# Altium PCB edison_breakout3.PcbDoc (part 2 of 3)
Units mil, origin at the board's own origin, x right, y up, seen from the top; angles counter-clockwise.
Board outline 3154.64 x 2013.03 mil, 6 copper layers (Top Layer, GND, VCC, Signal Layer 2, GND (Mid4), Bottom Layer), stack 48.468 mil thick; 205 components, 181 nets, 884 pads, 412 vias.
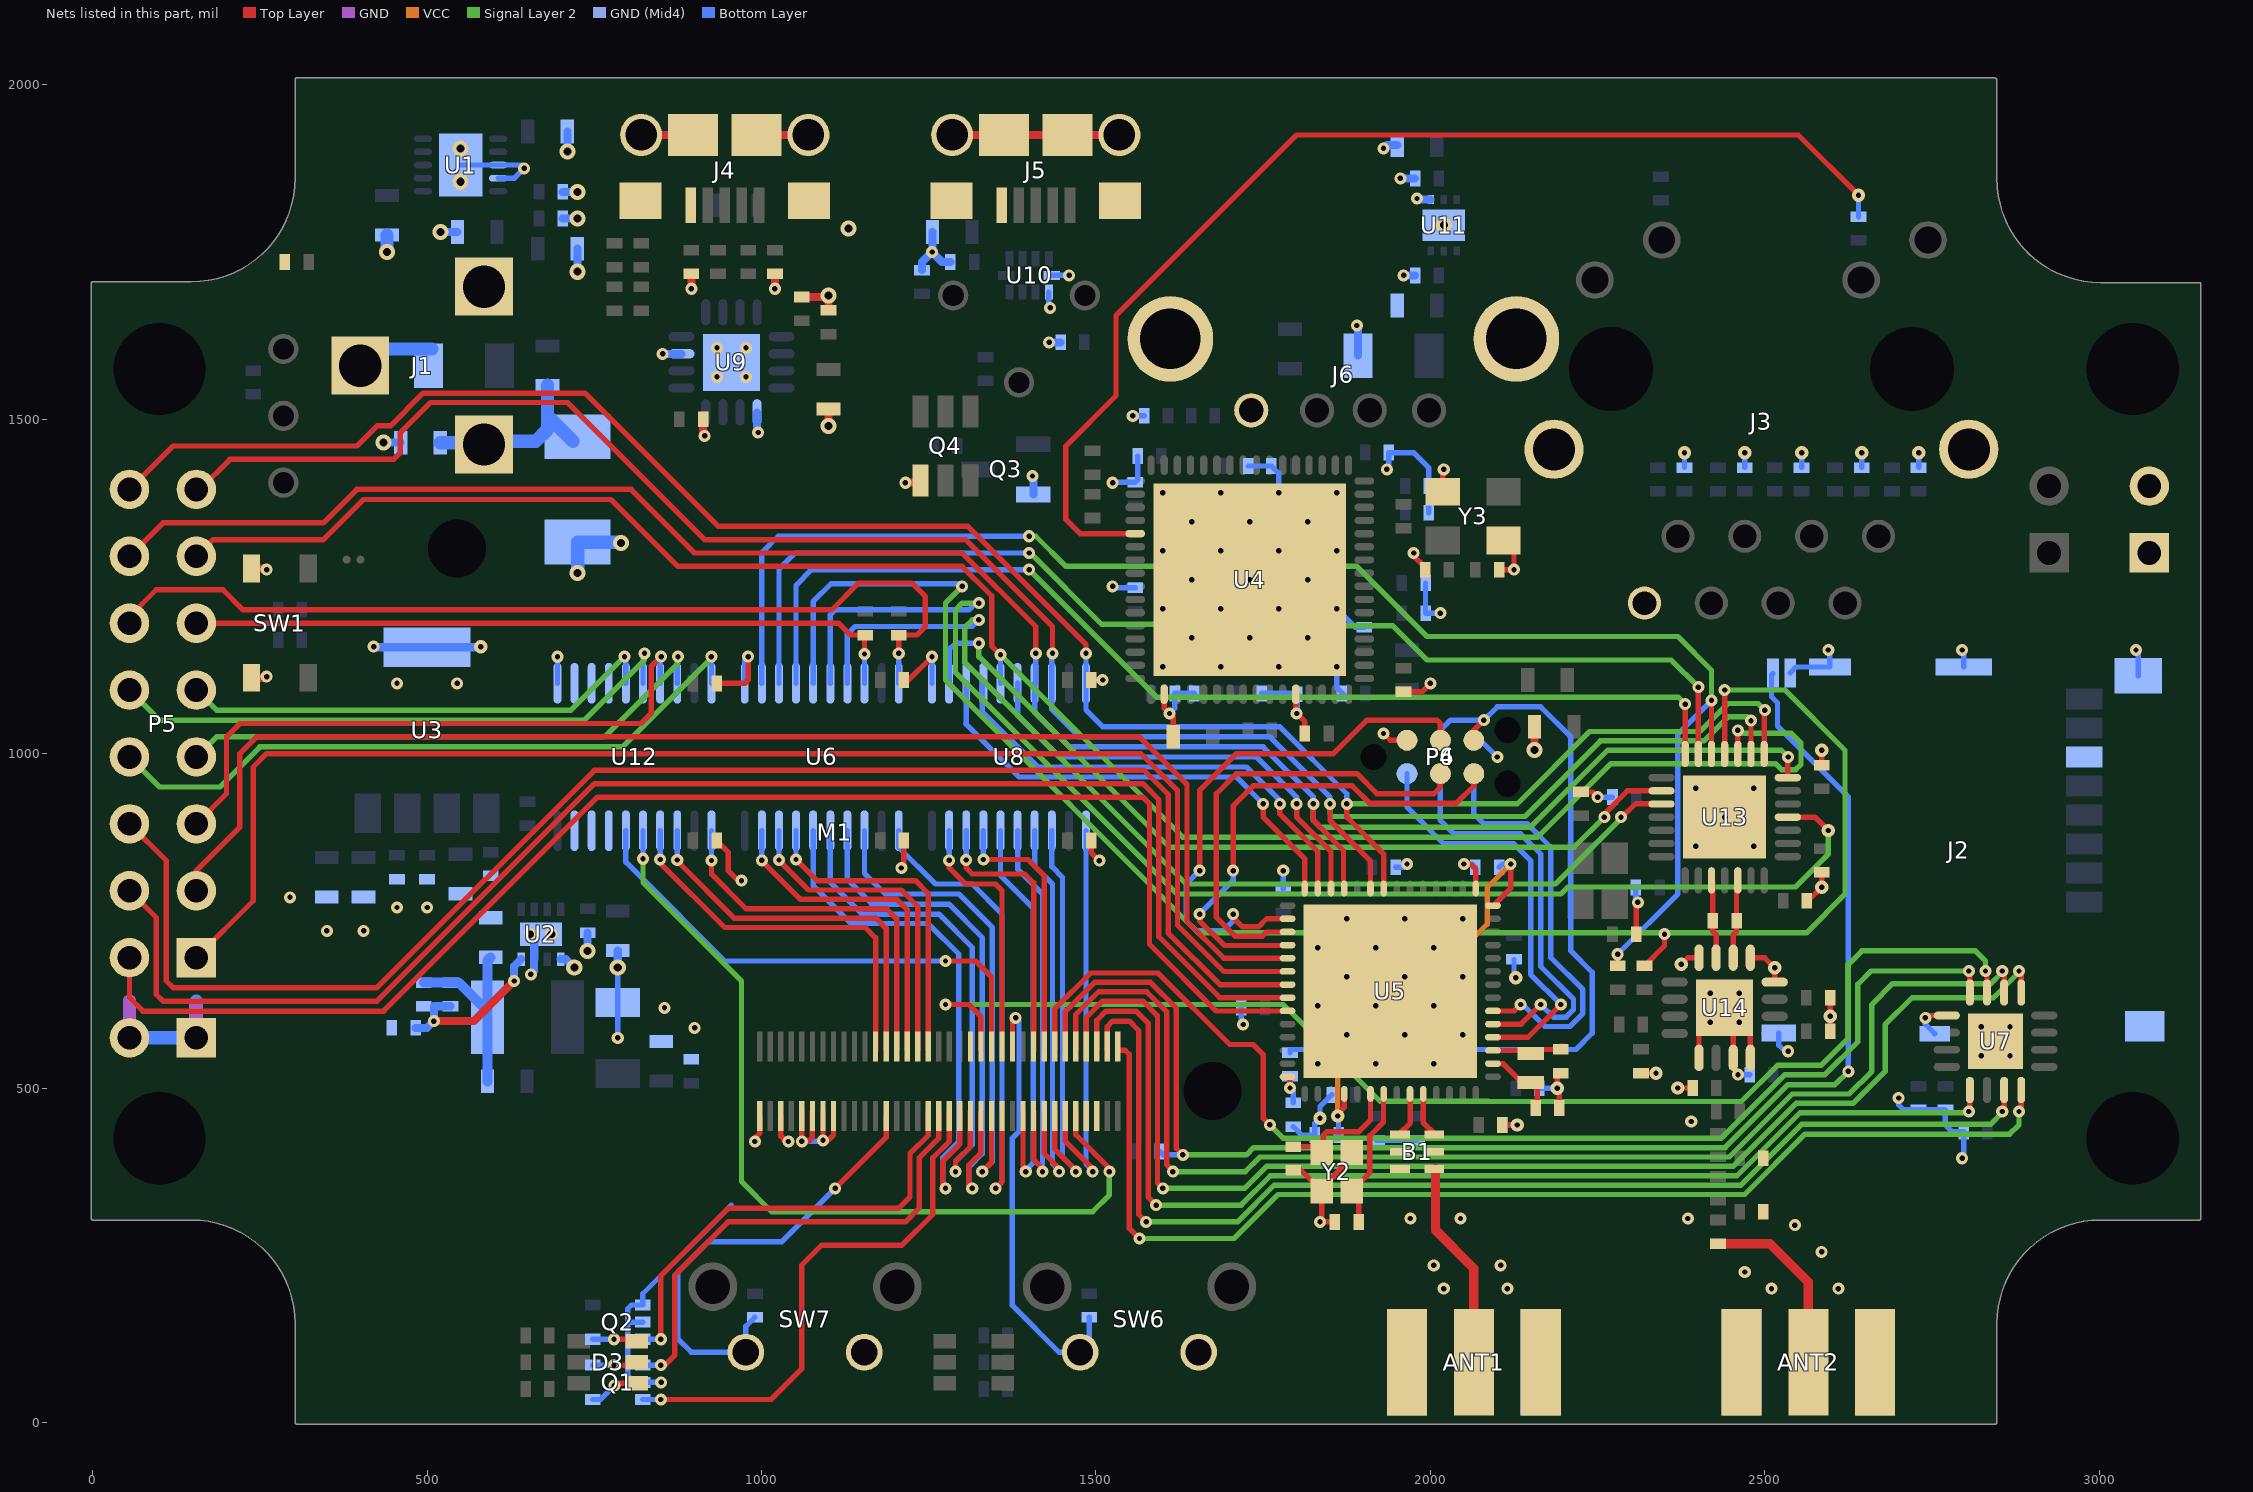
[diagram p6: the nets of this part, all layers, seen from the top]

## Part data
ANT1 ANT2: "CONN SMA JACK 50 OHM EDGE MNT"
B1: "2.45 GHz Balun for TI CC253X"
C1 C9 C25 C67 C80: library part C_4.7u_10V_0603_ceramic, "Ceramic capacitor, 4.7u, 10V, 0603 package"
C2 C5 C8 C10 C15 C17 C72 C75 C77 C94: library part C_10u_10V_0603_ceramic, "Ceramic capacitor, 10 uF, 10 V, 0603 package"
C3: library part C_10p_50V_0402_ceramic, "Ceramic capacitor, 10 pF, 16 V, 0402 package"
C4 C16 C73: library part C_100u_10V_1206_tantalum, "Tantalum capacitor, 100 uF, 10 V, 1206 package"
C6 C7 C11 C13 C18 C28 C58 C71 C74 C76 C84: library part C_1u_16V_0402_ceramic, "Ceramic capacitor, 1 uF, 16V, 0402 package"
C12 C14: library part C_10u_10V_0603_tantalum, "Tantalum capacitor, 10 uF, 10 V, 0603 package"
C19 C20 C21 C22 C23 C24 C26 C27 C29 C30 C31 C32 C33 C34 C35 C36 C37 C38 C39 C40 C41 C42 C43 C44 C45 C46 C52 C53 C54 C55 C56 C57 C66 C68 C79 C81 C85 C86 C91 C95 C97: library part C_0.1u_16V_0402_ceramic, "Ceramic capacitor, 0.1u, 16 V, 0402 package"
C47 C48: library part C_22p_0402_ceramic, "Ceramic capacitor, 22 pF, 0402 package"
C49 C83: library part C_1000p_50V_0402_ceramic, "Ceramic capacitor, 1000 pF, 0402 package"
C50 C51 C82: library part C_12p_0402_ceramic, "Ceramic capacitor, 12 pF, 0402 package"
C59 C96: library part C_33p_0402_ceramic, "Ceramic capacitor, 33 pF, 0402 package"
C60: library part C_10000p_16V_0402_ceramic, "Ceramic capacitor, 10000 pF, 16 V, 0402 package"
C61: library part C_0.022u_50V_0402_ceramic, "Ceramic capacitor, 0.022 uF, 0402 package"
C62 C63 C64 C65 C92 C93: library part C_15p_25V_0402_ceramic, "Ceramic capacitor, 15 pF, 25V, 0402 package"
C69 C70: library part C_47p_50V_0402_ceramic, "Ceramic capacitor, 47 pF, 0402 package"
C78: library part C_220p_50V_0402_ceramic, "Ceramic capacitor, 220 pF, 0402 package"
C87: library part C_18p_50V_0402_ceramic, "Ceramic capacitor, 18 pF, 0402 package"
C88 C89: library part C_2.2p_50V_0402_ceramic, "Ceramic capacitor, 2.2 pF, 0402 package"
C90: library part C_0.2p_50V_0402_ceramic, "Ceramic capacitor, 0.2 pF, 0402 package"
D1: library part D_LED_BLUE_0402, "LED, Blue, 0402"
D2 D3: library part D_CLY6D-FKC, "CREE PLCC6 3 in 1 SMD LED"
D4: library part D_LED_ORANGE_0402, "LED, Orange, 0402"
D5: library part D_LED_GREEN_0402, "LED, Green,  0402"
D6: library part D_LED_RED_0402, "LED, Red, 0402"
D7: "SURFACE MOUNT ZENER DIODE"
FB1 FB2 FB3 FB4 FB5 FB6: library part FB_2A_0603, "Ferrite Bead, 2 A, 0603 package"
J1: "CONN PWR JACK 2.1X5.5MM HIGH CUR"
J2: "Micro SD Slot"
J3: "1x1 Tab-Down RJ45"
J4 J5: library part "Micro USB", "CONN USB MICRO B RECPT SMT R/A"
J6: library part A105221-ND, "USB 2.0 Type A"
J7: library part SolderBridge
L1: library part L_1u_LQM32PN, "Chip inductor, 1 uH, 1210 package, LQM32PN"
L2: library part L_4.7n_300mA_0402, "Chip inductor, 4.7 nH, 0402 package, 300 mA"
L3: library part L_6.8n_0402, "Chip inductor, 6.8 nH, 0402 package"
L4: library part L_1n_300mA_0402, "Chip inductor, 1 nH, 0402 package, 300 mA"
L5: library part L_2n_300mA_0402, "Chip inductor, 2 nH, 0402 package, 300 mA"
P1 P2 P3 P5: "100 mils standard header"
P4 P6: "TC2030-MCP-NL"
Q1 Q2: "Common Source Dual N-Channel MOSFET"
Q3: "N-Channel 20 V (D-S) MOSFET"
Q4: "Load Switch"
R1 R5 R13 R15 R34: library part R_200_0402, "Chip resistor, 200, 0402 package"
R2: library part R_680K_0402, "Chip resistor, 680K, 0402 package"
R3: library part R_120K_0402, "Chip resistor, 120K, 0402 package"
R4 R12: library part R_100_0402, "Chip resistor, 100, 0402 package"
R6 R14 R25 R27 R28 R30 R31: library part R_330_0402, "Chip resistor, 330, 0402 package"
R7: library part R_2.2K_0402, "Chip resistor, 2.2K, 0402 package"
R8 R42: library part R_56K_0402, "Chip resistor, 56K, 0402 package"
R9 R10 R11 R16 R17 R19 R26 R33 R35 R36 R38 R39 R40 R43 R44 R46: library part R_10K_0402, "Chip resistor, 10K, 0402 package"
R18: library part R_12.4K_0402, "Chip resistor, 12.4K, 0402 package"
R20 R21 R22 R23: library part R_49.9_0402, "Chip resistor, 49.9, 0402 package"
R24: library part R_10_0402, "Chip resistor, 10, 0402 package"
R29 R32: library part R_27_0402, "Chip resistor, 27, 0402 package"
R37: library part R_12K_0402, "Chip resistor, 12K, 0402 package"
R41: library part R_3.9K_0402, "Chip resistor, 3.9K, 0402 package"
R45: library part R_1M_0402, "Chip resistor, 1M, 0402 package"
SW1: "Tactile Switches"
SW4: "SPST Slide switch"
SW5: "Slide switch, SPDT, 500 mA, 12 V"
SW6 SW7: "SWITCH TACTILE SPST-NO 0.05A 24V"
U1: "Dual 2.6A, 2.5V to 5.5V,  Ideal Diodes in 3mm ⊙ 3mm DFN"
U2: "3-MHz, 2-A, Step-Down Converter"
U3: "LP387x 0.8-A Fast Ultra-Low-Dropout Linear Regulators"
U4: "USB 2.0 Hub and 10/100  Ethernet Controller"
U5: "A Powerful System-On-Chip for 2.4-GHz IEEE 802.15.4, 6LoWPAN  and ZigBee Applications"
U6 U8 U12: "TXS0108E-Q1 8-Bit Bi-directional, Level-Shifting, Voltage Translator  for Open-Drain and Push-Pull Applications"
U7: "6-Channel High-Speed Logic-Level Translators"
U9: "FT230X USB UART"
U10: "High-Speed USB 2.0 (480-Mbps) 1:2 Multiplexer ¡V Demultiplexer  Switch With Single Enable"
U11: "0.5A SINGLE CHANNEL CURRENT-LIMITED  POWER SWITCH WITH OUTPUT DISCHARGE"
U13: "2.4 GHZ IEEE 802.15.4/ZIGBEER RF TRANSCEIVER"
U14: "2.4-GHz Range Extender"
Y1: "32768 Hz SMD Low profile crystal"
Y2: "MHz Range Crystal Unit"
Y3: "Crystal 25.0000MHz 20ppm 18pF 50 Ohm"
Y4: "Crystal 32.0000MHz 10ppm 10pF 50 Ohm"

## Free pads (board coordinates)
  round 0 hole 137.79: ""(100,425) ""(100,1575) ""(3050,425) ""(3050,1575)

## Via types
v1: diameter 18, hole 8, Top Layer to Bottom Layer, 319 vias
v2: diameter 20, hole 8, Top Layer to Bottom Layer, 41 vias
v3: diameter 24, hole 12, Top Layer to Bottom Layer, 34 vias
v4: diameter 22, hole 8, Top Layer to Bottom Layer, 18 vias

## Nets (pads, with @x,y where several pads share a name; then routed paths per layer and width w, separated by ;. In a path a pad name is that pad's centre, name@x,y a point inside that pad or via, vN(x,y) a via of type N, cw(c..) or ccw(c..) an arc to the next point about the centre after c; other vN are vias at no path point)
BLD_CTRL: P4.5 U5.18 | length 751
  Top Layer w8: v1(1655,760) 1655,750 1692,713 1785.47,713 U5.18@1785.47,713.7 ; v1(1705,825) 1705,921.87 1735,951.87 1883.13,951.87 1909,926 2039,926 2065,952 P4.5@2065,970
  Bottom Layer w8: v1(1655,760) 1705,810 v1(1705,825)
BLD_RX: P4.4 U5.16 | length 822.5
  Top Layer w8: v1(1655,825) 1655,945 1710,1000 1855,1000 1905,1050 2010,1050 2015,1045 P4.4@2015,1020 ; v1(1705,760) 1705,755 1719,741 1742.87,741 1754.94,753.07 U5.16@1785.47,753.07
  Bottom Layer w8: v1(1655,825) 1635,805 1635,750 1650,735 1690,735 1705,750 v1(1705,760)
BLD_TX: P4.3 U5.17 | length 688.7
  Top Layer w8: U5.17@1785.47,733.39 1755.05,733.39 1748.67,727 1708,727 1680,755 1680,940 1710,970 1890,970 1920,940 2005,940 2015,950 P4.3@2015,970
CC2520_RF_N: L3.1 U13.19 U14.2 | length 118.6
  Top Layer w8: U14.2@2452.8,694.8 2452.8,729.27 2457.72,734.19 L3.1@2457.72,750 2457.72,808.54 U13.19@2459.68,810.51
CC2520_RF_P: L3.2 U13.17 U14.3 | length 118.6
  Top Layer w8: U13.17@2420.31,810.51 2422.28,808.54 L3.2@2422.28,750 2422.28,734.19 2427.2,729.27 U14.3@2427.2,694.8
CC2538_PA3: P5.3 U5.19 | length 2064.8
  Top Layer w8: P5.3@155,795 155,825 220,890 220,1000 245,1025 1565,1025 1636,954 1636,749.2 1691.19,694.02 U5.19@1785.47,694.02
CC2538_PA4: P5.1 U5.20 | length 2127
  Top Layer w8: P5.1@155,695 240,780 240,980 260,1000 1567,1000 1622,945 1622,743.4 1691.07,674.33 U5.20@1785.47,674.33
CC2538_PA5: P5.6 U5.21 | length 2326.1
  Top Layer w8: P5.6@55,895 110,840 110,660 120,650 425,650 750,975 1572.2,975 1608,939.2 1608,732 1685.35,654.65 U5.21@1785.47,654.65
CC2538_PA6: P5.4 U5.22 | length 2253.3
  Top Layer w8: P5.4@55,795 95,755 95,640 105,630 425,630 750,955 1570,955 1594,931 1594,726.2 1685.24,634.96 U5.22@1785.47,634.96
CC2538_PA7: P5.2 U5.23 | length 2186.8
  Top Layer w8: P5.2@55,695 55,635 75,615 435,615 755,935 1570,935 1580,925 1580,715 1679.72,615.28 U5.23@1785.47,615.28
CC2538_R\E\S\E\T\: P4.6 P6.3 R7.2 | length 1202.6
  Top Layer w8: P4.6@2065,1020 2065,1035 v1(2080,1050)
  Bottom Layer w8: R7.2@1790,552.72 1790,557.54 2217.54,557.54 2242,582 2242,673 2210,705 2210,1025 2165,1070 2100,1070 v1(2080,1050) 2030,1050 2015,1035 P6.3@2015,1020
CC2538_RF_N: B1.3 U5.38 | length 67.5
  Top Layer w8: U5.38@1989.21,490.28 1989.21,448.74 B1.3@2007.56,430.39
CC2538_RF_P: B1.4 U5.37 | length 67.4
  Top Layer w8: B1.4@1952.44,430.39 1970,447.95 1970,489.8 U5.37@1969.53,490.28
CC2538_TCK: P6.4 U5.47 | length 638
  Top Layer w8: U5.47@2094.53,595.59 2135.59,595.59 v1(2165,625)
  Bottom Layer w8: P6.4@2015,970 2015,900 2035,880 2135,880 2165,850 2165,681.87 2214,632.87 2214,617.13 2202.87,606 2184,606 v1(2165,625)
CC2538_TDO: P6.6 U5.48 | length 623.4
  Top Layer w8: U5.48@2094.53,615.28 2125.28,615.28 v1(2135,625)
  Bottom Layer w8: P6.6@2065,970 2065,910 2080,895 2145,895 2180,860 2180,695 2228,647 2228,611.33 2208.67,592 2171.13,592 2138.13,625 v1(2135,625)
CC2538_TMS: P6.2 U5.46 | length 622.6
  Top Layer w8: U5.46@2094.53,575.91 2145.91,575.91 v1(2195,625)
  Bottom Layer w8: P6.2@1965,970 1965,920 2020,865 2125,865 2150,840 2150,670 v1(2195,625)
EDISON_CLK: M1.55 U8.4 | length 623
  Top Layer w8: M1.55@1422.48,463.74 1422.48,402.52 1445,380 v1(1445,375)
  Bottom Layer w8: U8.4@1408.39,884.76 1408.39,831.61 1435,805 1435,386.87 1445,376.87 v1(1445,375)
EDISON_CLK_3V3: P5.14 U5.11 U8.17 U13.28 | length 3056.1
  Top Layer w8: P5.14@55,1295 105,1345 345,1345 395,1395 805,1395 900,1300 1300,1300 1410,1190 v1(1410,1150) ; v1(1825,925) 1825,899.8 1870,854.8 1870,800.43 U5.11@1871.1,799.33 ; U13.28@2534.49,964.06 v1@2534.49,995
  Signal Layer 2 w8: v1(1825,925) 1825,900 1835,890 2150,890 2265,1005 2525,1005 v1(2535,995)
  Bottom Layer w8: v1(1410,1150) 1410,1106.85 U8.17@1408.39,1105.24 1408.39,1061.61 1460,1010 1750,1010 1825,935 v1(1825,925)
EDISON_CS0: M1.53 U8.5 | length 619.4
  Top Layer w8: M1.53@1406.73,463.74 1406.73,393.27 1420,380 v1(1420,375)
  Bottom Layer w8: U8.5@1382.8,884.76 1382.8,827.2 1420,790 v1(1420,375)
EDISON_CS0_3V3: U5.12 U8.16 | length 672.8
  Top Layer w8: v1(1800,925) 1800,905 1851.42,853.58 U5.12@1851.42,799.33
  Bottom Layer w8: U8.16@1382.8,1105.24 1382.8,1057.2 1445,995 1740,995 1800,935 v1(1800,925)
EDISON_CS1: M1.51 U8.6 | length 624.9
  Top Layer w8: M1.51@1390.98,463.74 1390.98,379.02 v1(1395,375)
  Bottom Layer w8: U8.6@1357.2,884.76 1357.2,817.8 1406,769 1406,387.87 1395,376.87 v1(1395,375)
EDISON_CS1_3V3: P5.13 U8.15 U13.3 | length 2951.7
  Top Layer w8: P5.13@155,1295 180,1320 345,1320 405,1380 775,1380 875,1280 1300,1280 1344,1236 1344,1161 v1(1357.2,1147.8) ; U13.3@2459.68,999.49 v1(2459.68,1034.68)
  Signal Layer 2 w8: v1(1357.2,1147.8) 1630,875 2160,875 2270,985 2516,985 2525,976 2546,976 2554,984 2554,1016 2539.63,1030.37 2464,1030.37 v1(2459.68,1034.68)
  Bottom Layer w8: U8.15@1357.2,1105.24 v1(1357.2,1147.8)
EDISON_GP14: M1.48 U8.9 | length 387.6
  Top Layer w8: v1(1280.43,840.43) 1280.43,829.57 1305,805 1350,805 1359.49,795.51 M1.48@1359.49,556.26
  Bottom Layer w8: v1(1280.43,840.43) U8.9@1280.43,884.76
EDISON_GP14_3V3: U8.12 U13.9 | length 1295.2
  Top Layer w8: v1(2260,905) 2260,910 2294.37,944.37 U13.9@2345.51,944.37
  Signal Layer 2 w8: v1(1325,1165) 1325,1145 1610,860 2215,860 v1(2260,905)
  Bottom Layer w8: U8.12@1280.43,1105.24 1280.43,1155.43 1290,1165 v1(1325,1165)
EDISON_GP15: M1.42
EDISON_GP19: M1.41 U6.5 | length 773.3
  Top Layer w8: v1(1290,375) 1290,390 1312.24,412.24 M1.41@1312.24,463.74
  Bottom Layer w8: U6.5@1102.8,884.76 1102.8,807.2 1150,760 1265,760 1315,710 1315,415 1290,390 v1(1290,375)
EDISON_GP19_3V3: U6.16 U13.25 | length 2035.6
  Top Layer w8: U13.25@2534.49,905 2575,905 v2(2595,885)
  Signal Layer 2 w8: v1(1325,1225) 1300,1225 1290,1215 1290,1121.26 1621.26,790 2195,790 2205.63,800.63 2545.63,800.63 2595,850 v2(2595,885)
  Bottom Layer w8: U6.16@1102.8,1105.24 1102.8,1207.8 1110,1215 1310,1215 1320,1225 v1(1325,1225)
EDISON_GP20: M1.43 U6.4 | length 819.3
  Top Layer w8: v1(1315,350) 1310,355 1310,385 1327.99,402.99 M1.43@1327.99,463.74
  Bottom Layer w8: U6.4@1128.39,884.76 1128.39,811.61 1165,775 1280,775 1330,725 1330,401.87 1310,381.87 1310,355 v1(1315,350)
EDISON_GP20_3V3: U6.17 U13.10 | length 1587
  Top Layer w8: v1(2285,905) 2286.72,905 2306.72,925 2345.51,925 U13.10@2345.51,924.68
  Signal Layer 2 w8: v1(1325,1200) 1315,1200 1304,1189 1304,1136 1635,805 2186.87,805 2285,903.13 v1(2285,905)
  Bottom Layer w8: U6.17@1128.39,1105.24 1128.39,1178.39 1140,1190 1315,1190 v1(1325,1200)
EDISON_GP41: M1.54 U8.8 | length 416.2
  Top Layer w8: v1(1306.02,841.02) 1306.02,828.98 1315,820 1393.48,820 1406.73,806.75 M1.54@1406.73,556.26
  Bottom Layer w8: v1(1306.02,841.02) U8.8@1306.02,884.76
EDISON_GP41_3V3: U5.14 U8.13 | length 706.7
  Top Layer w8: v1(1750,925) 1750,905 1812.05,842.95 U5.14@1812.05,799.33
  Bottom Layer w8: U8.13@1306.02,1105.24 1306.02,1046.02 1305,1045 1385,965 1710,965 v1(1750,925)
EDISON_GP43: M1.56 U8.7 | length 405.3
  Top Layer w8: v1(1331.61,841.61) 1398.39,841.61 1422.48,817.52 M1.56@1422.48,556.26
  Bottom Layer w8: v1(1331.61,841.61) U8.7@1331.61,884.76
EDISON_GP43_3V3: U5.13 U8.14 | length 697.1
  Top Layer w8: v1(1775,925) 1775,910 1831.73,853.27 U5.13@1831.73,799.33
  Bottom Layer w8: U8.14@1331.61,1105.24 1330,1103.62 1330,1063.13 1413.13,980 1725,980 1775,930 v1(1775,925)
EDISON_GP44: M1.24 U12.4 | length 584.9
  Top Layer w8: v1(848.39,841.61) 848.39,836.61 945,740 1155,740 1170.51,724.49 M1.24@1170.51,556.26
  Bottom Layer w8: v1(848.39,841.61) U12.4@848.39,884.76
EDISON_GP44_3V3: P5.5 U12.17 | length 929.8
  Top Layer w8: P5.5@155,895 200,940 200,1025 220,1045 820,1045 835,1060 835,1130 v1(850,1145)
  Bottom Layer w8: U12.17@848.39,1105.24 848.39,1143.39 v1(850,1145)
EDISON_GP45: M1.26 U12.3 | length 582
  Top Layer w8: v1(873.98,841.02) 873.98,839.15 959.13,754 1171,754 1186.26,738.74 M1.26@1186.26,556.26
  Bottom Layer w8: v1(873.98,841.02) U12.3@873.98,884.76
EDISON_GP45_3V3: P5.7 U12.18 | length 828.2
  Signal Layer 2 w8: P5.7@155,995 185,1025 765,1025 875,1135 v1(875,1145)
  Bottom Layer w8: U12.18@873.98,1105.24 873.98,1143.98 v1(875,1145)
EDISON_GP46: M1.28 U12.1 | length 566.2
  Top Layer w8: v1(925.16,840.16) 925.16,819.84 977,768 1187,768 1202.01,752.99 M1.28@1202.01,556.26
  Bottom Layer w8: v1(925.16,840.16) U12.1@925.16,884.76
EDISON_GP46_3V3: P5.8 U12.20 | length 1010.3
  Signal Layer 2 w8: P5.8@55,995 100,950 190,950 250,1010 791.87,1010 925,1143.13 v1(925,1145)
  Bottom Layer w8: v1(925,1145) 925.16,1144.84 U12.20@925.16,1105.24
EDISON_GP47: M1.30 U6.9 | length 503.1
  Top Layer w8: v1(1000.43,840.43) 1000.43,839.74 1058.18,782 1202.5,782 1217.76,766.75 M1.30@1217.76,556.26
  Bottom Layer w8: v1(1000.43,840.43) U6.9@1000.43,884.76
EDISON_GP47_3V3: R39.1 U6.12 U13.5 | length 2288.5
  Top Layer w8: R39.1@2280,682.72 v1(2280,700) ; U13.5@2420.31,999.49 v1(2420.31,1079.69)
  Signal Layer 2 w8: v1(1400,1325) 1410,1325 1455,1280 1890,1280 1995,1175 2370,1175 2420.31,1124.69 v1(2420.31,1079.69)
  Bottom Layer w8: U6.12@1000.43,1105.24 1000.43,1300.43 1025,1325 v1(1400,1325) ; v1(2280,700) 2370,790 2370,1029.37 v1(2420.31,1079.69)
EDISON_GP48: M1.32 U6.8 | length 495.7
  Top Layer w8: v1(1026.02,841.02) 1026.02,840.33 1070.36,796 1209,796 1233.5,771.5 M1.32@1233.5,556.26
  Bottom Layer w8: v1(1026.02,841.02) U6.8@1026.02,884.76
EDISON_GP48_3V3: U6.13 U13.6 | length 1738.3
  Top Layer w8: U13.6@2400.63,999.49 v1(2400.63,1099.37)
  Signal Layer 2 w8: v1(1400,1300) 1401.87,1300 1508.64,1193.23 1868.14,1193.23 1870.43,1190.93 1944.07,1190.93 1995,1140 2360,1140 v1(2400.63,1099.37)
  Bottom Layer w8: U6.13@1026.02,1105.24 1026.02,1276.02 1050,1300 v1(1400,1300)
EDISON_GP49: M1.34 U6.7 | length 496.3
  Top Layer w8: v1(1051.61,841.61) 1083.23,810 1230,810 1249.25,790.75 M1.34@1249.25,556.26
  Bottom Layer w8: v1(1051.61,841.61) U6.7@1051.61,884.76
EDISON_GP49_3V3: U6.14 U13.7 | length 1643.2
  Top Layer w8: U13.7@2380.94,999.49 v1(2380.94,1074.06)
  Signal Layer 2 w8: v1(1400,1275) 1590.57,1084.43 2370.57,1084.43 v1(2380.94,1074.06)
  Bottom Layer w8: U6.14@1051.61,1105.24 1051.61,1251.61 1075,1275 v1(1400,1275)
EDISON_GP183: M1.39 U6.6 | length 829.9
  Top Layer w8: v1(1275,350) 1271,354 1271,390.8 1296.5,416.3 M1.39@1296.5,463.74
  Bottom Layer w8: U6.6@1077.2,884.76 1077.2,802.8 1134,746 1249,746 1295,700 1295,420 1271,396 1271,354 v1(1275,350)
EDISON_GP183_3V3: R38.1 U6.15 U13.4 | length 2620.9
  Top Layer w8: R38.1@2320,682.72 2350,712.72 v1(2350,730) ; U13.4@2440,999.49 v1(2440,1095)
  Signal Layer 2 w8: v1(1300,1250) 1275,1225 1275,1110 1652.93,732.07 2562.07,732.07 2620,790 2620,1005 2530,1095 v1(2440,1095)
  Bottom Layer w8: U6.15@1077.2,1105.24 1077.2,1227.2 1104,1254 1296,1254 v1(1300,1250)
EDISON_I2C_SCL: M1.45 U6.3 | length 754
  Top Layer w8: v1(1330,375) 1343.74,388.74 M1.45@1343.74,463.74
  Bottom Layer w8: U6.3@1153.98,884.76 1153.98,821.02 1185,790 1295,790 1345,740 1345,390 v1(1330,375)
EDISON_I2C_SCL_3V3: P5.11 R16.2 U6.18 | length 1079.4
  Top Layer w8: P5.11@155,1195 1115,1195 1132.72,1177.28 R16.2@1153.98,1177.28 ; v1(1153.98,1148.98) R16.2@1153.98,1177.28 ; R16.2@1155,1177.28 R16.2@1153.98,1177.28
  Bottom Layer w8: U6.18@1153.98,1105.24 v1(1153.98,1148.98)
EDISON_I2C_SDA: M1.47 U6.1 | length 752.5
  Top Layer w8: v1(1350,350) 1359.49,359.49 M1.47@1359.49,463.74
  Bottom Layer w8: U6.1@1205.16,884.76 1205.16,859.84 1260,805 1315,805 1359.49,760.51 1359.49,359.49 v1(1350,350)
EDISON_I2C_SDA_3V3: P5.12 R17.2 U6.20 | length 1416.2
  Top Layer w8: P5.12@55,1195 55,1205 95,1245 195,1245 225,1215 1105,1215 1145,1255 1225,1255 1245,1235 1245,1190 1232.28,1177.28 R17.2@1205,1177.28 1205.16,1177.13 v1(1205.16,1149.84)
  Bottom Layer w8: U6.20@1205.16,1105.24 v1(1205.16,1149.84)
EDISON_LED_BLUE: M1.37 Q1.5 | length 802
  Top Layer w8: v1(849.41,34.41) 1014.41,34.41 1060,80 1060,235 1090,265 1210,265 1256,311 1256,395.6 1280.75,420.35 M1.37@1280.75,463.74
  Bottom Layer w8: Q1.5@822.4,34.41 v1(849.41,34.41)
EDISON_LED_GREEN: M1.35 Q1.3 | length 736.2
  Top Layer w8: v1(849.41,85.59) 855.59,85.59 870,100 870,220 950,300 1215,300 1236,321 1236,396 1265,425 M1.35@1265,463.74
  Bottom Layer w8: Q1.3@822.4,85.59 v1(849.41,85.59)
EDISON_LED_RED: M1.33 Q2.5 | length 681.3
  Top Layer w8: v1(849.41,124.41) 849.41,219.41 950,320 1205,320 1222,337 1222,402 1249.25,429.25 M1.33@1249.25,463.74
  Bottom Layer w8: Q2.5@822.4,124.41 v1(849.41,124.41)
EDISON_MISO: M1.59 U8.1 | length 619.6
  Top Layer w8: M1.59@1453.98,463.74 1453.98,421.02 1495,380 v1(1495,375)
  Bottom Layer w8: U8.1@1485.16,884.76 1485.16,386.71 1495,376.87 v1(1495,375)
EDISON_MISO_3V3: P5.16 U5.8 U8.20 U13.1 | length 3105.4
  Top Layer w8: P5.16@55,1395 120,1460 395,1460 425,1490 445,1490 494,1539 736,1539 935,1340 1308.13,1340 1485,1163.13 v1(1485,1150) ; v1(1875,925) 1875,905 1930.16,849.84 U5.8@1930.16,799.33 ; U13.1@2499.06,999.49 v1@2499.06,1065
  Signal Layer 2 w8: v1(1875,925) 2130,925 2238,1033 2403.2,1033 2445.2,1075 2490,1075 v1(2500,1065)
  Bottom Layer w8: v1(1485,1150) 1485.16,1149.84 U8.20@1485.16,1105.24 1485.16,1065.16 1510.32,1040 1775,1040 1875,940 v1(1875,925)
EDISON_MOSI: M1.57 U8.3 | length 626.6
  Top Layer w8: M1.57@1438.23,463.74 1438.23,408.64 1470,376.87 v1(1470,375)
  Bottom Layer w8: U8.3@1433.98,884.76 1433.98,831.02 1450,815 1450,396.87 1470,376.87 v1(1470,375)
EDISON_MOSI_3V3: P5.15 U5.9 U8.18 U13.2 | length 3005.6
  Top Layer w8: P5.15@155,1395 160,1395 205,1440 450,1440 460,1450 460,1480 505,1525 710,1525 915,1320 1305,1320 1435,1190 v1(1435,1150) ; v1(1850,925) 1850,900 1910.47,839.53 U5.9@1910.47,799.33 ; U13.2@2479.37,999.49 v1(2479.37,1049.37)
  Signal Layer 2 w8: v1(1850,925) 1850,910 1854,906 2141.2,906 2254.2,1019 2409,1019 2445,1055 2473.74,1055 v1(2479.37,1049.37)
  Bottom Layer w8: v1(1435,1150) 1433.98,1148.98 U8.18@1433.98,1105.24 1433.98,1066.02 1475,1025 1760,1025 1850,935 v1(1850,925)
EDISON_SD_C\D\: J2.9 M1.60 R46.2 | length 2207.8
  Top Layer w8: M1.60@1453.98,556.26 1453.98,613.98 1498,658 1581.6,658 1620,619.6 1620,410 v1(1630,400)
  Signal Layer 2 w8: v1(1630,400) 1725,400 1735.8,410.8 2440.6,410.8 2534.8,505 2605,505 v1(2625,525)
  Bottom Layer w8: R46.2@1595.72,405 1600.72,400 v1(1630,400) ; J2.9@2512.01,1119.57 2510,1117.56 2510,1085 2519,1076 2519,1041 2625,935 v1(2625,525)
EDISON_SD_CLK: M1.58 U7.12 | length 1795.8
  Top Layer w8: M1.58@1438.23,556.26 1438.23,618.03 1492.2,672 1593,672 1700,565 1735,565 1750,550 1750,455 v1(1760,445) ; v1(2805,675) 2806.61,673.39 U7.12@2806.61,642.83
  Signal Layer 2 w8: v1(1760,445) 1780.2,424.8 2434.8,424.8 2530,520 2590,520 2639,569 2639,655 2659,675 v1(2805,675)
EDISON_SD_CLK_FB: M1.44 U7.11 | length 1938.5
  Top Layer w8: v1(1275,625) 1310,625 1327.99,607.01 M1.44@1327.99,556.26 ; v1(2830,675) 2832.2,672.8 U7.11@2832.2,642.83
  Signal Layer 2 w8: v1(1275,625) 1780,625 1925,480 2086.52,480 2086.72,479.8 2464.8,479.8 2519,534 2584.2,534 2625,574.8 2625,685 2645,705 2815,705 2830,690 v1(2830,675)
EDISON_SD_CMD: M1.62 U7.10 | length 1917.6
  Top Layer w8: M1.62@1469.72,556.26 1469.72,609.72 1504,644 1575.8,644 1606,613.8 1606,385 1616,375 v1(1615,375) ; v1(2855,675) 2857.8,672.2 U7.10@2857.8,642.83
  Signal Layer 2 w8: v1(1615,375) 1723.2,375 1745,396.8 2446.8,396.8 2541,491 2626,491 2660,525 2660,625 2691,656 2837.87,656 2855,673.13 v1(2855,675)
EDISON_SD_DAT0: M1.66 U7.1 | length 1717.7
  Top Layer w8: M1.66@1501.22,556.26 1501.22,601.22 1515,615 1560,615 1578,597 1578,337 v1(1590,325) ; v1(2805,465) 2806.61,466.61 U7.1@2806.61,497.17
  Signal Layer 2 w8: v1(1590,325) 1717,325 1760.8,368.8 2458.4,368.8 2552.6,463 2803,463 v1(2805,465)
EDISON_SD_DAT1: M1.70 U7.4 | length 1740.1
  Top Layer w8: M1.70@1532.72,556.26 1543.74,556.26 1550,550 1550,290 v1(1565,275) ; v1(2880,465) 2883.39,468.39 U7.4@2883.39,497.17
  Signal Layer 2 w8: v1(1565,275) 1706.59,275 1772.4,340.8 2470,340.8 2560.2,431 2866,431 2880,445 v1(2880,465)
EDISON_SD_DAT2: M1.64 U7.9 | length 1926.6
  Top Layer w8: M1.64@1485.47,556.26 1485.47,605.47 1510,630 1570,630 1592,608 1592,358 v1(1600,350) ; v1(2880,675) 2883.39,671.61 U7.9@2883.39,642.83
  Signal Layer 2 w8: v1(1600,350) 1722.2,350 1755,382.8 2452.6,382.8 2546.8,477 2632,477 2680,525 2680,595 2720,635 2841.87,635 2880,673.13 v1(2880,675)
EDISON_SD_DAT3: M1.68 U7.3 | length 1765.2
  Top Layer w8: M1.68@1516.97,556.26 1516.97,591.97 1525,600 1550,600 1564,586 1564,311 v1(1575,300) ; v1(2855,465) 2857.8,467.8 U7.3@2857.8,497.17
  Signal Layer 2 w8: v1(1575,300) 1711.79,300 1766.6,354.8 2464.2,354.8 2555.4,446 2837.87,446 2855,463.13 v1(2855,465)
EDISON_SW1: M1.25 R9.2 SW7.1 | length 694
  Top Layer w8: v1(1110,350) 1186.26,426.26 M1.25@1186.26,458.03
  Bottom Layer w8: R9.2@990,157.28 976.42,143.7 SW7.1@976.42,105 895,105 875,125 875,225 920,270 1030,270 v1(1110,350)
EDISON_SW2: M1.50 R10.2 SW6.1 | length 669.5
  Top Layer w8: M1.50@1375.24,561.97 1375.24,600.24 v1(1380,605)
  Bottom Layer w8: v1(1380,605) 1385,600 1385,510 1385,435 1375,425 1375,175 1445,105 SW6.1@1476.42,105 1490,118.58 R10.2@1490,157.28
EDISON_UART_CTS: M1.65
EDISON_UART_RTS: M1.63
EDISON_UART_RX: M1.61 U12.5 | length 1309.3
  Top Layer w8: M1.61@1469.72,463.74 1469.72,430.28 1520,380 v1(1520,375)
  Signal Layer 2 w8: v1(822.8,842.8) 822.8,807.2 970,660 970,360 1015,315 1495,315 1520,340 v1(1520,375)
  Bottom Layer w8: v1(822.8,842.8) U12.5@822.8,884.76
EDISON_UART_RX_3V3: P5.10 U12.16 | length 881.6
  Signal Layer 2 w8: P5.10@55,1095 100,1050 735,1050 825,1140 v1(825,1150)
  Bottom Layer w8: U12.16@822.8,1105.24 822.8,1147.8 v1(825,1150)
EDISON_UART_TX: M1.46 U12.6 | length 774.6
  Top Layer w8: v1(1275,690) 1320,690 1343.74,666.26 M1.46@1343.74,556.26
  Bottom Layer w8: U12.6@797.2,884.76 797.2,837.8 815,820 945,690 v1(1275,690)
EDISON_UART_TX_3V3: P5.9 U12.15 | length 726.2
  Signal Layer 2 w8: P5.9@155,1095 185,1065 715,1065 v1(795,1145)
  Bottom Layer w8: v1(795,1145) 797.2,1142.8 U12.15@797.2,1105.24
GND: ANT1.1 ANT2.1 B1.2 B1.5 B1.6 C1.2 C2.2 C4.2 C5.2 C6.2 C7.2 C8.2 C9.2 C10.2 C11.2 C12.2 C13.2 C14.2 C15.2 C16.2 C17.2 C18.2 C19.2 C20.2 C21.2 C22.2 C23.2 C24.2 C25.2 C26.2 C27.2 C28.2 C29.2 C30.2 C31.2 C32.2 C33.2 C34.2 C35.2 C36.2 C37.2 C38.2 C39.2 C40.2 C41.2 C42.2 C43.2 C44.2 C45.2 C46.2 C47.2 C48.2 C49.2 C50.1 C51.1 C52.2 C53.2 C54.2 C55.2 C56.2 C57.2 C58.2 C59.2 C60.2 C61.2 C62.2 C63.2 C64.2 C65.2 C66.2 C67.2 C68.2 C69.2 C70.2 C71.2 C72.2 C73.2 C74.2 C75.2 C76.2 C77.2 C78.2 C79.2 C80.2 C81.2 C82.2 C83.2 C84.2 C85.2 C86.2 C88.2 C89.2 C90.2 C91.2 C92.2 C93.2 C94.2 C95.2 C96.2 C97.2 D1.2 D7.1 J1.2 J1.3 J2.6 J2.10 J2.11 J2.12 J2.13 J2.14 J2.15 J2.16 J3.8 J3.13 J3.14 J4.5 J4.6 J5.5 J5.6 J6.4 J6.5 J6.6 M1.1 M1.5 M1.9 M1.11 M1.13 M1.15 P2.1 P2.2 P3.1 P3.2 P4.2 P6.5 Q1.4 Q2.3 Q2.4 Q3.2 Q4.1 R3.2 R8.2 R18.1 R33.2 R36.2 R37.2 R41.2 R42.2 R44.2 SW1.3 SW1.4 SW6.2 SW7.2 U1.3 U1.4 U1.11 U2.1 U2.3 U2.9 U3.5 U4.34 U4.44 U4.65 U5.1 U5.57 U6.11 U7.13 U7.17 U8.11 U9.3 U9.13 U9.17 U10.5 U10.6 U11.1 U11.7 U12.7 U12.8 U12.9 U12.11 U12.12 U12.13 U12.14 U13.29 U14.1 U14.4 U14.9 U14.11 U14.12 U14.16 U14.17 Y2.2 Y2.4 Y3.2 Y3.4 | length 6533.3
  Top Layer w8: C54.2@932.72,870 950,852.72 950,825 965,810 v1(970,810) ; C79.2@932.72,1105 975,1105 980,1110 v1(980,1145) ; v1(990,420) 990,425 997.28,432.28 M1.1@997.28,458.03 ; M1.5@1028.78,458.03 1028.78,428.09 1034,422.87 1034,421 1040,415 v1(1040,420) ; M1.9@1060.28,463.74 v1(1060.28,420.28) 1070.28,420.28 1076.02,426.02 M1.11@1076.02,463.74 ; M1.13@1091.77,463.74 v1(1091.77,421.77) 1099.27,421.77 1107.52,430.02 M1.15@1107.52,463.74 ; v1(1209.13,829) 1212.72,832.59 C53.2@1212.72,870 ; C55.2@1212.72,1110 1220,1110 v1(1254.84,1144.84) ; C38.2@1492.72,870 1492.72,852.28 v1(1505,840) ; C56.2@1492.72,1110 v1(1510,1110) ; U4.34@1602.05,1088.74 1602.05,1067.95 v1(1610,1060) 1615.47,1054.53 C25.2@1615.47,1025 ; C50.1@1795,377.09 1806.54,377.09 Y2.2@1837.36,346.26 ; U4.44@1798.9,1088.74 1798.9,1061.1 v1(1800,1060) 1812.28,1047.72 C29.2@1812.28,1030 ; C51.1@1857.28,299.8 1857.09,300 v1(1835,300) 1837.36,302.36 Y2.2@1837.36,346.26 ; Y2.4@1882.64,403.35 1882.64,395.84 1837.36,350.56 Y2.2@1837.36,346.26 ; v1(1930,1030) 1940,1020 P4.2@1965,1020 ; R18.1@1960,1092.28 1987.28,1092.28 v1(2000,1105) ; v1(1975,1300) 1975,1295.63 C96.2@1992.44,1278.19 ; Y3.4@2018.58,1391.42 2018.58,1423.58 v1(2020,1425) ; v1(2050,835) 2060,835 2067.95,827.05 U5.1@2067.95,799.33 ; C59.2@2102.72,1275 v1(2125,1275) 2125,1302.72 Y3.2@2109.13,1318.58 ; R8.2@2107.72,444.8 v2(2130,444.8) ; C48.2@2192.72,470 2192.72,496.89 v2(2189.8,499.8) 2189.8,517.09 C47.2@2195,522.28 ; C92.2@2225,942.72 2242.28,942.72 v1(2250,935) ; C93.2@2307.72,730 2307.72,775.16 v1(2310.28,777.72) ; R41.2@2315,522.28 v2(2337.28,522.28) ; v2(2370,500) C88.2@2392.28,500 ; v2(2375,685) 2384.8,694.8 U14.4@2401.61,694.8 ; U14.9@2401.61,545.2 2401.61,581.61 U14.17@2440,620 v1(2461.65,598.35) ; U14.11@2452.8,545.2 2452.8,589.49 v1(2461.65,598.35) ; U14.12@2478.39,545.2 2478.39,581.61 v1(2461.65,598.35) ; U14.1@2478.39,694.8 2499.8,694.8 v2(2514.8,679.8) U14.16@2514.8,658.39 ; C86.2@2562.72,780 2565,780 v2(2585,800) R42.2@2585,822.28 ; C91.2@2585,982.72 v2(2585,1005) ; C83.2@2597.72,585 v2(2597.72,607.28) C82.2@2597.72,635 ; v1(2740,605) 2743.39,608.39 U7.13@2772.17,608.39
  Top Layer w12: SW1.4@237.68,1113.31 258.31,1113.31 v1(260,1115) ; SW1.3@237.68,1276.69 258.31,1276.69 v1(260,1275) ; J4.6@820,1925 J4.6@897.76,1925 ; v1(895,1695) C70.2@895,1717.28 ; C66.2@912.72,1500 912.72,1477.28 v1(915,1475) v1@915,1480 ; J4.6@992.24,1925 J4.6@1070,1925 ; v1(1020,1695) C69.2@1020,1717.28 ; C97.2@1060,1682.72 1097.72,1682.72 v3(1100,1685) C68.2@1100,1662.72 ; v3(1100,1490) C67.2@1100,1515.47 ; v1(1215,1405) 1234.17,1405 Q4.1@1237.6,1408.43 ; J5.6@1285,1925 J5.6@1362.76,1925 J5.6@1457.24,1925 J5.6@1535,1925 ; v3(2155.47,1005.47) C80.2@2155.47,1040
  GND w20: P3.2@55,575 55,630 ; P3.1@155,575 155,625
  GND (Mid4) w20: P3.2@55,575 55,630 ; P3.1@155,575 155,625
  Bottom Layer w8: U1.11@550,1880 U1.3@606.1,1880 640,1880 v1(645,1875) 630.32,1860.32 U1.4@606.1,1860.32 ; U12.11@694.84,1105.24 v1(694.84,1144.84) ; v1(785,575) C4.2@785,628.15 v3(785,680) ; Q2.4@822.4,150 800,150 ; v1(850,60) Q1.4@822.4,60 810,60 800,70 800,150 ; 955,325 822.4,192.4 Q2.3@822.4,175.59 805.59,175.59 800,170 800,150 ; U6.11@974.84,1105.24 974.84,1139.84 v1(980,1145) ; v1@1060.28,421.22 v1(1060.28,420.28) 1091.77,420.28 v1(1091.77,421.77) ; U8.11@1254.84,1105.24 v1(1254.84,1144.84) ; U10.6@1429.53,1690 1429.53,1668.41 v1(1431.47,1666.47) ; U10.5@1433.86,1715 v1(1460,1715) ; v1(1525,1250) 1526.81,1248.19 C34.2@1558.74,1248.19 ; v1(1525,1405) 1525.67,1405.67 C33.2@1558.74,1405.67 1562.28,1409.21 C26.2@1562.28,1445 ; v1(1555,1505) C60.2@1572.28,1505 ; v1(1610,1060) 1617.72,1067.72 C35.2@1617.72,1090 C27.2@1647.28,1090 ; C23.2@1717.28,620 1717.28,597.72 v1(1720,595) ; C40.2@1727.72,1430 C39.2@1762.28,1430 1773.31,1418.98 v1(1773.31,1389.92) ; C36.2@1747.72,1090 1799.61,1090 C37.2@1800.87,1088.74 1800.87,1060.87 v1(1800,1060) v1@1804,1056 ; C22.2@1780,797.72 v1(1780,825) ; C49.2@1795,442.28 1807.48,429.8 C20.2@1827.28,429.8 1827.28,447.09 v2(1835,454.8) 1835,472.52 C30.2@1852.28,489.8 ; v1(1859.92,1130.08) 1859.92,1098.74 C41.2@1869.92,1088.74 ; v1(1859.92,1216.69) 1887.48,1189.13 C42.2@1901.26,1189.13 ; C32.2@1920,422.09 C31.2@1980,422.09 ; v1(1935,1425) 1937.72,1427.72 C43.2@1937.72,1450 1975,1450 1997.72,1427.28 R37.2@1997.72,1400 C28.2@1997.72,1360 ; C21.2@1947.87,830 1960,830 v1(1965,835) ; C45.2@1992.72,1255 C44.2@1992.72,1210 v1(2015,1210) ; v1(2050,835) 2062.28,835 C19.2@2067.28,830 ; P6.5@2065,1025 P6.5@2065,1020 2075,1020 v1(2100,995) ; C78.2@2107.72,444.8 v2(2130,444.8) ; C24.2@2125,692.28 2125,667.58 v2(2127.58,665) ; C46.2@2162.72,499.8 v2(2189.8,499.8) ; v1(2250,935) C81.2@2272.28,935 ; C85.2@2307.28,800 2307.28,780.71 v1(2310.28,777.72) v1@2310,777.44 ; C61.2@2380,1427.72 v2(2380,1450) ; v1(2460,520) C84.2@2477.28,520 ; C64.2@2470,1427.72 v2(2470,1450) ; J2.14@2520.87,582.17 2520.87,564.13 2530,555 v1(2535,555) ; J2.10@2537.99,1120.55 2546.85,1129.41 J2.13@2597.24,1129.41 2597.24,1152.76 v1(2595,1155) ; C65.2@2555,1427.72 v2(2555,1450) ; C62.2@2645,1427.72 v2(2645,1450) ; v1(2700,485) 2700,475 2707.72,467.28 C58.2@2730,467.28 C57.2@2770,467.28 2770,445 2780,435 C52.2@2797.28,435 2797.28,397.28 v1(2795,395) ; C63.2@2730,1427.72 v2(2730,1450) ; v1(2740,605) 2740,595.32 J2.15@2754.13,581.18 ; v1(2795,1155) 2797.24,1152.76 J2.12@2797.24,1129.41 ; v1(3055,1155) 3058.27,1151.73 J2.11@3058.27,1116.61
  Bottom Layer w12: v1(420,1160) 420.98,1159.02 U3.5@500,1159.02 580,1159.02 v2(580,1160) ; v3(435,1465) C15.2@460.47,1465 ; v3(520,1780) C9.2@545.47,1780 ; U2.9@654.25,730 660.16,724.09 U2.3@660.16,692.6 660,692.44 660,675 v1(655,670) ; U2.1@699.53,692.6 707.4,692.6 v3(720,680) ; C18.2@702.72,1800 v3(725,1800) ; R44.2@702.72,1840 v3(725,1840) ; C1.2@709.53,1930 709.53,1900.47 v3(710,1900) ; v3(724.53,1720.47) C17.2@724.53,1755 ; v3(740,705) C7.2@740,732.28 ; v3(785,680) C8.2@785,705.47 ; v1(852.2,1597.8) U9.3@880.2,1597.8 ; U9.13@993.39,1510.2 993.39,1481.61 v1(995,1480) ; R36.2@1240,1722.72 1240,1735 v1(1255,1750) ; C72.2@1255.47,1780 1255.47,1750.47 v1(1255,1750) ; C71.2@1282.28,1735 1270,1735 v1(1255,1750) ; v1(1405,1415) 1406.34,1413.66 Q3.2@1406.34,1387.6 ; v1(1430,1615) R33.2@1447.28,1615 ; v1(1890,1640) 1891.85,1638.15 C73.2@1891.85,1595 ; v1(1930,1905) 1935,1910 C75.2@1950.47,1910 ; v1(1955,1860) C74.2@1977.28,1860 ; v1(1960,1715) C76.2@1977.28,1715 ; v1(1980,1830) 1981.61,1828.39 U11.1@2000.32,1828.39
  Bottom Layer w20: 55,625 P3.2@55,575 P3.1@155,575 155,630 ; J1.3@404.96,1585 424.96,1605 C16.2@506.85,1605 ; v3(440,1750) C10.2@440,1775.47 ; v3(725,1270) D7.1@725,1316.26 788.74,1316.26 v3(790,1315)
  other v1: 2020,200 2115,200 2510,200 2610,200 2470,225 2005,235 2105,235 2585,255 2545,295 1970,305 2045,305 2385,305 2390,450 2823.35,548.35 2866.65,548.35 900,590 2823.35,591.65 2866.65,591.65 2418.35,598.35 855,620 2418.35,641.65 2461.65,641.65 350,735 405,735 455,770 500,770 295,785 2396.69,861.69 2483.31,861.69 2440,905 2396.69,948.31 2483.31,948.31 455,1105 545,1105 1600.08,1130.08 1686.69,1130.08 1773.31,1130.08 1643.39,1173.39 1730,1173.39 1816.61,1173.39 1600.08,1216.69 1686.69,1216.69 1773.31,1216.69 1643.39,1260 1730,1260 1816.61,1260 1600.08,1303.31 1686.69,1303.31 1773.31,1303.31 1859.92,1303.31 1643.39,1346.61 1730,1346.61 1816.61,1346.61 1600.08,1389.92 1686.69,1389.92 1859.92,1389.92 933.35,1563.35 976.65,1563.35 933.35,1606.65 976.65,1606.65
  other v3: 1130,1785 2020,1790 550,1855 550,1905
  other v4: 1831.73,536.54 1918.35,536.54 2004.96,536.54 1875.04,579.84 1961.65,579.84 2048.27,579.84 1831.73,623.15 1918.35,623.15 2004.96,623.15 1875.04,666.46 1961.65,666.46 2048.27,666.46 1831.73,709.76 1918.35,709.76 2004.96,709.76 1875.04,753.07 1961.65,753.07 2048.27,753.07
L\N\K\A\: R27.1 U4.21 | length 1739.9
  Top Layer w8: U4.21@1558.74,1328.9 1476.1,1328.9 1455,1350 1455,1460 1530,1535 1530,1655 1800,1925 2550,1925 v2(2640,1835)
  Bottom Layer w8: R27.1@2640,1802.72 v2(2640,1835)
LED_BLUE: D3.1 Q1.1 | length 75.7
  Top Layer w8: v1(780,55) 783.5,58.5 D3.1@813.31,58.5
  Bottom Layer w8: Q1.1@747.6,34.41 759.41,34.41 v1(780,55)
LED_GREEN: D3.2 Q1.2 | length 67.5
  Top Layer w8: v1(779.41,85.59) 808.9,85.59 D3.2@813.31,90
  Bottom Layer w8: Q1.2@747.6,85.59 v1(779.41,85.59)
LED_RED: D3.3 Q2.1 | length 66.9
  Top Layer w8: v1(779.41,124.41) 810.39,124.41 D3.3@813.31,121.5
  Bottom Layer w8: Q2.1@747.6,124.41 v1(779.41,124.41)
NetANT1_2: ANT1.2 B1.1 | length 313
  Top Layer w14: B1.1@2007.56,379.21 2007.56,287.56 2065,230.12 ANT1.2@2065,90
NetANT2_2: ANT2.2 C87.2 | length 278.7
  Top Layer w14: C87.2@2430,267.28 2507.72,267.28 2565,210 ANT2.2@2565,90
NetC2_1: C2.1 C3.1 FB1.2 L1.1 R2.1 | length 291.4
  Bottom Layer w15: C3.1@495,657.72 R2.1@535,657.72 547.24,657.72 589.96,615 589.96,690.43 C2.1@595,695.47 ; L1.1@589.96,606 589.96,510.51 FB1.2@590.47,510
NetC3_2: C3.2 R2.2 R3.1 U2.4 | length 260.5
  Top Layer w12: v1(510,600) 570,600 v1(630,660)
  Bottom Layer w12: R3.1@482.72,590 500,590 v1(510,600) 510,622.28 R2.2@535,622.28 ; v1(630,660) 630,682.13 U2.4@640.47,692.6
NetC15_1: C15.1 D7.2 FB2.2 J1.1 | length 288.5
  Bottom Layer w20: C15.1@519.53,1465 588.11,1465 590,1466.89 600,1466.89 662.36,1466.89 680,1484.53 D7.2@680,1505.04 ; FB2.2@680,1550.47 D7.2@680,1505.04 ; D7.2@718.15,1466.89 D7.2@680,1505.04
NetC19_1: C19.1 C20.1 U5.32 U5.56 | length 640.8
  Top Layer w8: v2(1861.66,458.14) 1861.66,461.47 1871.1,470.91 U5.32@1871.1,490.28 ; U5.56@2094.53,772.76 2120,798.23 v1(2120,835)
  VCC w8: v2(1861.66,458.14) 1861.66,521.66 2085,745 2085,800 v1(2120,835)
  Bottom Layer w8: v2(1861.66,458.14) 1862.72,457.09 C20.1@1862.72,429.8 ; C19.1@2102.72,830 2107.72,835 v1(2120,835)
NetC47_1: C47.1 U5.45 Y1.2 | length 110
  Top Layer w8: U5.45@2094.53,556.22 2145.24,556.22 Y1.2@2150,551.46 2156.26,557.72 C47.1@2195,557.72 ; C47.1@2195,562.72 C47.1@2200,562.72
NetC48_1: C48.1 U5.44 Y1.1 | length 112
  Top Layer w8: U5.44@2094.53,536.54 2108.74,536.54 2137.13,508.15 Y1.1@2150,508.15 2160,498.15 C48.1@2160,467.52
NetC49_1: C49.1 R7.1 U5.28 | length 60.4
  Top Layer w8: U5.28@1785.47,516.85 1790,512.32 v1(1790,500)
  Bottom Layer w8: R7.1@1790,517.28 v1(1790,500) 1795,495 C49.1@1795,477.72
NetC50_2: C50.2 U5.34 Y2.1 | length 189.5
  Top Layer w8: C50.2@1795,412.52 1833.46,412.52 1840,405.98 1840,429.8 1845,434.8 1893.28,434.8 1910.47,451.99 U5.34@1910.47,490.28
NetC51_2: C51.2 U5.35 Y2.3 | length 215.3
  Top Layer w8: C51.2@1892.72,299.8 1892.72,336.18 Y2.3@1882.64,346.26 1909.37,372.99 1909.37,428.46 1930,449.09 1930,491.1 U5.35@1930.16,491.26